# Altium PCB 0020-03_FFT2G.PcbDoc (part 4 of 16)
Units mm, origin at the board's own origin, x right, y up, seen from the top; angles counter-clockwise.
Board outline 195 x 104.5 mm, 12 copper layers (Top Layer, GND1, LVDS1, PWR1, LVDS2, PWR2, LVDS3, PWR3, SIG1, SIG2, GND2, Bottom Layer), stack 1.422 mm thick; 721 components, 650 nets, 4014 pads, 3497 vias.
Unrouted connection lines stored in the file: 78.
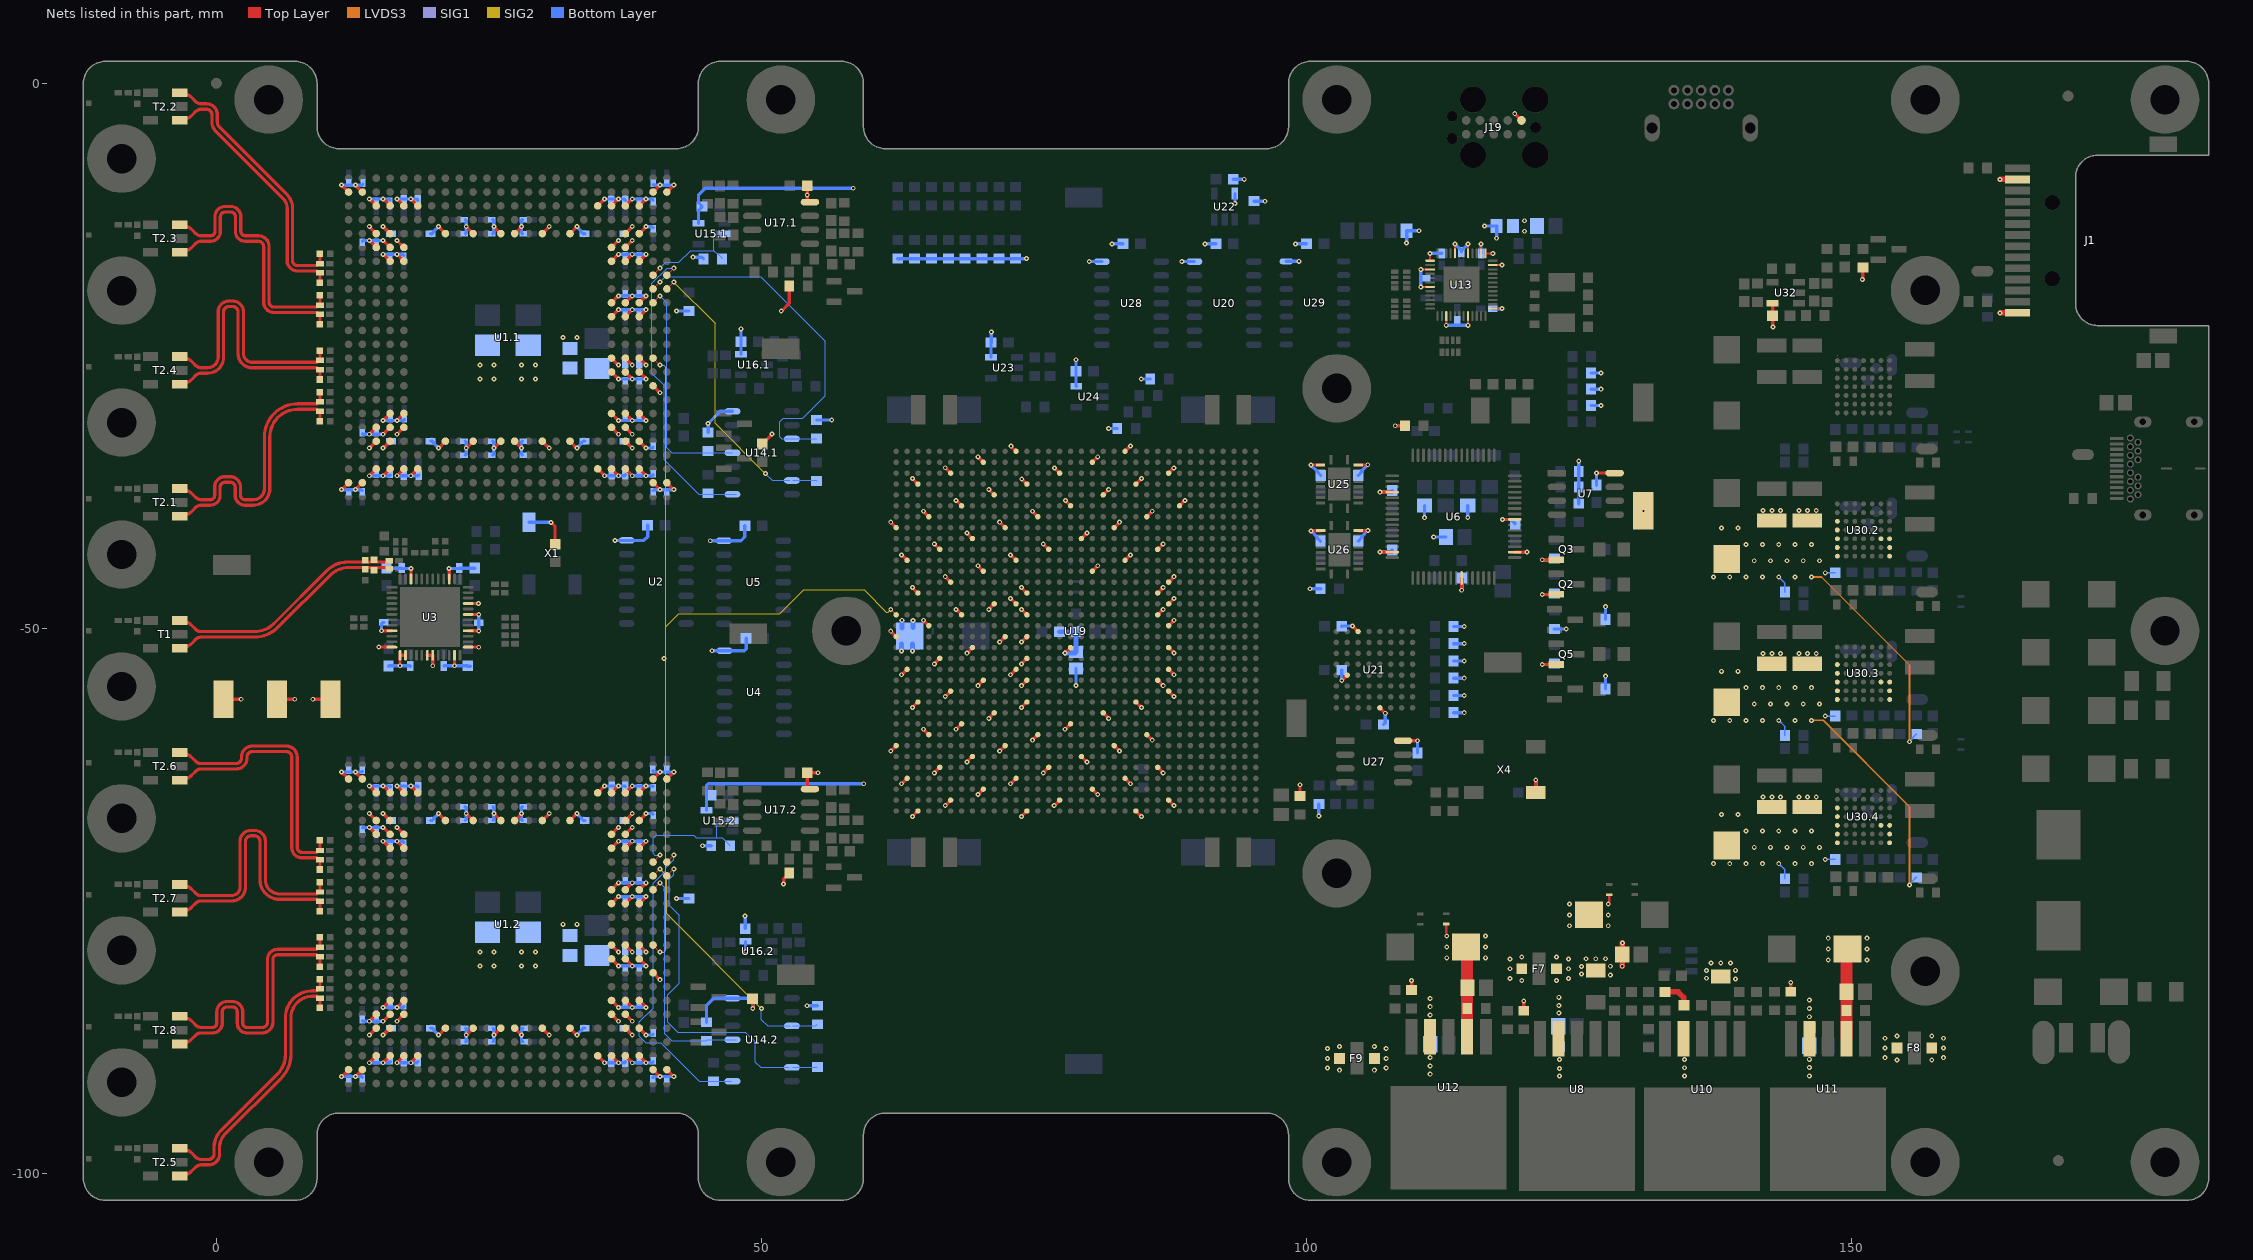
[diagram p14: the nets of this part, all layers, seen from the top]

## Via types
v1: diameter 0.45, hole 0.2, Top Layer to Bottom Layer, tented both sides, 3249 vias
v2: diameter 1, hole 0.5, Top Layer to Bottom Layer, tented both sides, 192 vias
v3: diameter 0.5, hole 0.2, Top Layer to Bottom Layer, tented both sides, 34 vias
v4: diameter 0.6, hole 0.3, Top Layer to Bottom Layer, tented both sides, 12 vias
v5: diameter 0.6, hole 0.2, Top Layer to Bottom Layer, tented both sides, 6 vias
v6: diameter 0.45/0.45/0.45/0.45/0.45/0.45/0.45 (per signal layer), hole 0.2, Top Layer to Bottom Layer, tented both sides, 4 vias

## Nets (pads, with @x,y where several pads share a name; then routed paths per layer and width w, separated by ;. In a path a pad name is that pad's centre, name@x,y a point inside that pad or via, vN(x,y) a via of type N, cw(c..) or ccw(c..) an arc to the next point about the centre after c; other vN are vias at no path point) (continued)
+1V0A: C78.1 C79.1 F12.2 U13.2 U13.13 U13.47 | length 6.6
  Top Layer w0.2: U13.13@111.371,-16.286 v1(111.371,-15.611) ; U13.2@116.046,-15.611 v1(116.046,-14.756) ; U13.47@117.121,-16.686 v1(117.976,-16.686)
  Bottom Layer w0.3: v1(109.217,-14.658) F12.2@109.217,-13.533 v1(110.341,-13.533) ; v1(111.371,-15.611) C78.1@112.446,-15.611 ; C79.1@116.046,-15.611 v1(116.046,-14.756)
+1V8: C138.1.1 C138.2.1 C139.1.2 C139.2.2 C140.1.2 C140.2.2 C141.1.2 C141.2.2 C142.1.2 C142.2.2 C143.1.2 C143.2.2 C144.1.2 C144.2.2 C145.1.2 C145.2.2 C146.1.2 C146.2.2 C147.1.2 C147.2.2 C148.1.2 C148.2.2 C149.1.2 C149.2.2 C150.1.2 C150.2.2 C151.1.2 C151.2.2 C152.1.2 C152.2.2 C153.1.2 C153.2.2 C154.1.2 C154.2.2 F9.2 R63.1.2 R63.2.2 TP13.1 U1.1.AA5 U1.1.AA20 U1.1.D5 U1.1.D20 U1.1.E3 U1.1.E6 U1.1.E19 U1.1.E22 U1.1.F3 U1.1.F22 U1.1.H5 U1.1.H20 U1.1.U5 U1.1.U20 U1.1.W3 U1.1.W22 U1.1.Y3 U1.1.Y6 U1.1.Y19 U1.1.Y22 U1.2.AA5 U1.2.AA20 U1.2.D5 U1.2.D20 U1.2.E3 U1.2.E6 U1.2.E19 U1.2.E22 U1.2.F3 U1.2.F22 U1.2.H5 U1.2.H20 U1.2.U5 U1.2.U20 U1.2.W3 U1.2.W22 U1.2.Y3 U1.2.Y6 U1.2.Y19 U1.2.Y22 | length 69.6
  Top Layer w0.3: TP13.1@0.652,-56.526 v1(2.277,-56.526) ; v1(15.303,-87.338) U1.2.D5@15.938,-86.703 ; v1(15.303,-67.018) U1.2.D20@15.938,-67.653 ; v1(15.303,-33.482) U1.1.D5@15.938,-32.847 ; v1(15.303,-13.162) U1.1.D20@15.938,-13.797 ; v1(16.573,-89.878) U1.2.E3@17.208,-89.243 ; v1(16.573,-86.068) U1.2.E6@17.208,-85.433 ; v1(16.573,-68.288) U1.2.E19@17.208,-68.923 ; v1(16.573,-64.478) U1.2.E22@17.208,-65.113 ; v1(16.573,-36.022) U1.1.E3@17.208,-35.387 ; v1(16.573,-32.212) U1.1.E6@17.208,-31.577 ; v1(16.573,-14.432) U1.1.E19@17.208,-15.067 ; v1(16.573,-10.622) U1.1.E22@17.208,-11.257 ; v1(17.843,-89.878) U1.2.F3@18.478,-89.243 ; v1(17.843,-64.478) U1.2.F22@18.478,-65.113 ; v1(17.843,-36.022) U1.1.F3@18.478,-35.387 ; v1(17.843,-10.622) U1.1.F22@18.478,-11.257 ; v1(20.383,-87.338) U1.2.H5@21.018,-86.703 ; v1(20.383,-67.018) U1.2.H20@21.018,-67.653 ; v1(20.383,-33.482) U1.1.H5@21.018,-32.847 ; v1(20.383,-13.162) U1.1.H20@21.018,-13.797 ; U1.2.U5@32.448,-86.703 v1(33.083,-87.338) ; U1.2.U20@32.448,-67.653 v1(33.083,-67.018) ; U1.1.U5@32.448,-32.847 v1(33.083,-33.482) ; U1.1.U20@32.448,-13.797 v1(33.083,-13.162) ; U1.2.W3@34.988,-89.243 v1(35.623,-89.878) ; U1.2.W22@34.988,-65.113 v1(35.623,-64.478) ; U1.1.W3@34.988,-35.387 v1(35.623,-36.022) ; U1.1.W22@34.988,-11.257 v1(35.623,-10.622) ; U1.2.Y3@36.258,-89.243 v1(36.893,-89.878) ; U1.2.Y6@36.258,-85.433 v1(36.893,-86.068) ; U1.2.Y19@36.258,-68.923 v1(36.893,-68.288) ; U1.2.Y22@36.258,-65.113 v1(36.893,-64.478) ; U1.1.Y3@36.258,-35.387 v1(36.893,-36.022) ; U1.1.Y6@36.258,-31.577 v1(36.893,-32.212) ; U1.1.Y19@36.258,-15.067 v1(36.893,-14.432) ; U1.1.Y22@36.258,-11.257 v1(36.893,-10.622) ; U1.2.AA5@37.528,-86.703 v1(38.163,-87.338) ; U1.2.AA20@37.528,-67.653 v1(38.163,-67.018) ; U1.1.AA5@37.528,-32.847 v1(38.163,-33.482) ; U1.1.AA20@37.528,-13.797 v1(38.163,-13.162)
  Bottom Layer w0.3: v1(15.303,-87.338) 15.723,-86.918 15.723,-86.851 15.873,-86.701 C154.2.2@16.023,-86.701 ; v1(15.303,-67.018) 15.723,-67.438 15.723,-67.501 15.873,-67.651 C140.2.2@16.023,-67.651 ; v1(15.303,-33.482) 15.719,-33.066 15.719,-32.99 15.869,-32.84 C154.1.2@16.019,-32.84 ; v1(15.303,-13.162) 15.719,-13.578 15.719,-13.653 15.869,-13.803 C150.1.2@16.019,-13.803 ; v1(16.573,-89.878) v1(17.843,-89.878) 18.387,-89.878 C151.2.2@18.473,-89.791 ; v1(16.573,-64.478) v1(17.843,-64.478) 18.425,-64.478 C147.2.2@18.508,-64.561 ; v1(16.573,-36.022) v1(17.843,-36.022) 18.491,-36.022 C151.1.2@18.561,-35.952 ; v1(16.573,-10.622) v1(17.843,-10.622) 18.365,-10.622 C147.1.2@18.473,-10.73 ; C143.1.2@19.651,-32.84 19.801,-32.84 19.951,-32.99 19.951,-33.05 v1(20.383,-33.482) ; C140.1.2@19.651,-13.803 19.801,-13.803 19.951,-13.653 19.951,-13.593 v1(20.383,-13.162) ; C143.2.2@19.661,-86.701 19.811,-86.701 19.961,-86.851 19.961,-86.916 v1(20.383,-87.338) ; C150.2.2@19.663,-67.651 19.813,-67.651 19.963,-67.501 19.963,-67.438 v1(20.383,-67.018) ; v1(33.083,-87.338) 33.503,-86.918 33.503,-86.851 33.653,-86.701 C145.2.2@33.803,-86.701 ; v1(33.083,-67.018) 33.503,-67.438 33.503,-67.501 33.653,-67.651 C142.2.2@33.803,-67.651 ; v1(33.083,-33.482) 33.491,-33.073 33.491,-32.99 33.641,-32.84 C145.1.2@33.791,-32.84 ; v1(33.083,-13.162) 33.491,-13.57 33.491,-13.653 33.641,-13.803 C142.1.2@33.791,-13.803 ; v1(35.623,-89.878) v1(36.893,-89.878) 37.453,-89.878 C153.2.2@37.533,-89.797 ; v1(35.623,-64.478) v1(36.893,-64.478) 37.475,-64.478 C148.2.2@37.533,-64.536 ; v1(35.623,-36.022) v1(36.893,-36.022) 37.438,-36.022 C153.1.2@37.533,-35.926 ; v1(35.623,-10.622) v1(36.893,-10.622) 37.4,-10.622 C148.1.2@37.533,-10.755 ; C149.1.2@37.431,-13.803 37.581,-13.803 37.731,-13.653 37.731,-13.593 v1(38.163,-13.162) ; C152.2.2@37.443,-86.701 37.593,-86.701 37.743,-86.851 37.743,-86.918 v1(38.163,-87.338) ; C149.2.2@37.443,-67.651 37.593,-67.651 37.743,-67.501 37.743,-67.438 v1(38.163,-67.018) ; C152.1.2@37.443,-32.84 37.593,-32.84 37.743,-32.99 37.743,-33.062 v1(38.163,-33.482)
  other v1: 103.05,-90.563 101.962,-90.366 101.962,-89.475 101.962,-88.584 103.05,-88.387 24.193,-80.988 25.463,-80.988 24.193,-79.718 25.463,-79.718 31.813,-77.178 33.083,-77.178 24.193,-27.132 25.463,-27.132 24.193,-25.862 25.463,-25.862 31.813,-23.322 33.083,-23.322
+1V8-LDO: C70.2 C71.1 F9.1 R45.1 U12.4 | length 0.8
  Top Layer w0.3: R45.1@109.675,-83.186 v1(109.675,-82.346)
  other v1: 111.375,-90.928 106.25,-90.563 107.338,-90.366 111.375,-90.166 107.338,-89.475 111.375,-89.404 107.338,-88.584 106.25,-88.387 111.375,-85.495 111.375,-84.733 111.375,-83.971
+1V8D.1: C155.1.1 C156.1.2 C157.1.2 R63.1.1 U1.1.AA11 U1.1.AB11 U1.1.Y11 | length 2.7
  Top Layer w0.3: U1.1.Y11@36.258,-25.227 v1(36.893,-25.862) ; U1.1.AA11@37.528,-25.227 v1(38.163,-25.862) ; U1.1.AB11@38.798,-25.227 v1(39.433,-25.862)
+1V8D.2: C155.2.1 C156.2.2 C157.2.2 R63.2.1 U1.2.AA11 U1.2.AB11 U1.2.Y11 | length 2.7
  Top Layer w0.3: U1.2.Y11@36.258,-79.083 v1(36.893,-79.718) ; U1.2.AA11@37.528,-79.083 v1(38.163,-79.718) ; U1.2.AB11@38.798,-79.083 v1(39.433,-79.718)
+2V3: C68.1 C69.1 C187.3.1 C188.3.1 C193.3.1 C197.3.1 P30.3.2 R44.1 R130.4.2 R144.3.2 U12.2 U30.3.A1 U30.3.A2 U30.3.A3 U30.3.A4 U30.3.A5 U30.3.F3 U30.3.G1 U30.3.G2 U30.3.G3 | length 32
  Top Layer w0.2: 112.85,-77.923 P30.3.2@112.85,-77.15
  Top Layer w0.5: U12.2@114.771,-87.453 U12.2@114.775,-87.45
  Top Layer w1.1: U12.2@114.775,-87.45 R44.1@114.775,-84.911 114.775,-83 C68.1@114.775,-79.25
  LVDS3 w0.15: v1(146.359,-58.463) 147.438,-58.463 155.358,-66.383 v1(155.358,-73.573)
  Bottom Layer w0.15: v1(143.359,-58.463) 143.925,-59.029 R144.3.2@143.925,-59.848 ; v1(147.625,-58.073) 147.626,-58.072 C197.3.1@148.556,-58.072 ; v1(155.358,-73.573) 155.425,-73.507 155.425,-73.47 155.599,-73.296 155.599,-73.246 155.974,-72.871 R130.4.2@156.024,-72.871
  other v1: 112.897,-80.25 116.452,-80.25 112.897,-79.25 116.452,-79.25 112.897,-78.25 116.452,-78.25 137.359,-58.463 138.859,-58.463 140.359,-58.463 141.859,-58.463 144.859,-58.463 141.109,-56.963 142.609,-56.963 144.109,-56.963 145.609,-56.963 147.109,-56.963 140.359,-55.463 141.859,-55.463 143.359,-55.463 144.859,-55.463 146.359,-55.463 138.109,-53.963 139.609,-53.963 141.927,-52.342 142.727,-52.342 143.527,-52.342 145.204,-52.342 146.004,-52.342 146.804,-52.342
+2V5: C2.1.1 C2.2.1 C36.2 C74.2 C75.1 C76.1 C77.1 C161.1 C165.1 C166.1 C173.1 C177.2 C179.2 C180.2 C181.1 C187.2.1 C188.2.1 C193.2.1 C197.2.1 F1.1 F13.1 J1.2 J1.14 J19.1 P30.2.2 Q5.2 R53.2 R54.2 R55.2 R84.1 R85.1 R86.1 R87.1 R88.1 R89.1 R90.1 R91.1 R103.1 R104.1 R105.1 R106.1 R107.1 R108.1 R109.2 R110.1 R111.2 R112.1 R115.1 R121.1 R123.2 R124.2 R130.3.2 R144.2.2 TP15.1 U5.14 U13.15 U13.19 U13.27 U13.32 U13.37 U15.1.5 U15.2.5 U19.A12 U19.A22 U19.A32 U19.AA10 U19.AA22 U19.AA32 U19.AB9 U19.AB29 U19.AC16 U19.AC26 U19.AD13 U19.AD23 U19.AD33 U19.AE10 U19.AE20 U19.AE30 U19.AF17 U19.AF27 U19.AG14 U19.AG24 U19.AG34 U19.AH11 U19.AH21 U19.AH31 U19.AJ8 U19.AJ18 U19.AJ28 U19.AK15 U19.AK25 U19.AL12 U19.AL22 U19.AL32 U19.AM9 U19.AM19 U19.AM29 U19.AN16 U19.AN26 U19.AP13 U19.AP23 U19.B9 U19.B19 U19.B29 U19.C16 U19.C26 U19.D13 U19.D23 U19.D33 U19.E10 U19.E20 U19.E30 U19.F17 U19.F27 U19.G14 U19.G24 U19.G34 U19.H11 U19.H21 U19.H31 U19.J18 U19.J28 U19.K15 U19.K25 U19.L12 U19.L22 U19.L32 U19.M9 U19.M29 U19.N10 U19.N22 U19.N26 U19.P9 U19.P23 U19.P33 U19.R22 U19.R30 U19.T9 U19.T27 U19.U22 U19.U24 U19.U34 U19.V9 U19.V31 U19.W10 U19.W22 U19.W28 U19.Y9 U19.Y23 U19.Y25 U20.14 U21.D8 U21.F1 U25.2 U26.2 U27.8 U28.14 U30.2.A1 U30.2.A2 U30.2.A3 U30.2.A4 U30.2.A5 U30.2.F3 U30.2.G1 U30.2.G2 U30.2.G3 | length 185.1
  Top Layer w0.2: v1(110.516,-18.686) U13.19@111.371,-18.686 ; v1(110.516,-17.086) U13.15@111.371,-17.086 ; v1(112.846,-22.216) U13.27@112.846,-21.361 ; v1(114.846,-22.216) U13.32@114.846,-21.361 ; U13.37@117.121,-20.686 v1(117.976,-20.686)
  Top Layer w0.3: v1(61.875,-61.28) U19.G34@62.375,-60.78 ; v1(61.875,-50.28) U19.U34@62.375,-50.78 ; v1(61.875,-40.28) U19.AG34@62.375,-40.78 ; v1(62.875,-64.28) U19.D33@63.375,-63.78 ; v1(62.875,-54.28) U19.P33@63.375,-53.78 ; v1(62.875,-43.28) U19.AD33@63.375,-43.78 ; v1(63.875,-67.28) U19.A32@64.375,-66.78 ; v1(63.875,-57.28) U19.L32@64.375,-56.78 ; v1(63.875,-46.28) U19.AA32@64.375,-46.78 ; v1(63.875,-36.28) U19.AL32@64.375,-36.78 ; v1(64.875,-59.28) U19.H31@65.375,-59.78 ; v1(64.875,-49.28) U19.V31@65.375,-49.78 ; v1(64.875,-39.28) U19.AH31@65.375,-39.78 ; v1(65.875,-63.28) U19.E30@66.375,-62.78 ; v1(65.875,-53.28) U19.R30@66.375,-52.78 ; v1(65.875,-42.28) U19.AE30@66.375,-42.78 ; v1(66.875,-66.28) U19.B29@67.375,-65.78 ; v1(66.875,-56.28) U19.M29@67.375,-55.78 ; v1(66.875,-45.28) U19.AB29@67.375,-45.78 ; v1(66.875,-35.28) U19.AM29@67.375,-35.78 ; v1(67.875,-59.28) U19.J28@68.375,-58.78 ; v1(67.875,-48.28) U19.W28@68.375,-48.78 ; v1(67.875,-38.28) U19.AJ28@68.375,-38.78 ; v1(68.875,-62.28) U19.F27@69.375,-61.78 ; v1(68.875,-41.28) U19.AF27@69.375,-41.78 ; v1(68.879,-52.297) 69.375,-51.803 U19.T27@69.375,-51.78 ; v1(69.875,-65.28) U19.C26@70.375,-64.78 ; v1(69.875,-55.28) U19.N26@70.375,-54.78 ; v1(69.875,-44.28) U19.AC26@70.375,-44.78 ; v1(69.875,-34.28) U19.AN26@70.375,-34.78 ; v1(70.875,-58.28) U19.K25@71.375,-57.78 ; v1(70.875,-48.28) U19.Y25@71.375,-47.78 ; v1(70.875,-37.28) U19.AK25@71.375,-37.78 ; v1(71.875,-61.28) U19.G24@72.375,-60.78 ; v1(71.875,-51.28) U19.U24@72.375,-50.78 ; v1(71.875,-40.28) U19.AG24@72.375,-40.78 ; v1(72.875,-64.28) U19.D23@73.375,-63.78 ; v1(72.875,-54.28) U19.P23@73.375,-53.78 ; v1(72.875,-47.28) U19.Y23@73.375,-47.78 ; v1(72.875,-43.28) U19.AD23@73.375,-43.78 ; v1(72.899,-33.303) U19.AP23@73.375,-33.78 ; v1(73.875,-67.28) U19.A22@74.375,-66.78 ; v1(73.875,-57.28) U19.L22@74.375,-56.78 ; v1(73.875,-55.28) U19.N22@74.375,-54.78 ; v1(73.875,-53.28) U19.R22@74.375,-52.78 ; v1(73.875,-51.28) U19.U22@74.375,-50.78 ; v1(73.875,-48.28) U19.W22@74.375,-48.78 ; v1(73.875,-46.28) U19.AA22@74.375,-46.78 ; v1(73.899,-36.303) U19.AL22@74.375,-36.78 ; v1(74.875,-60.28) U19.H21@75.375,-59.78 ; v1(74.875,-39.28) U19.AH21@75.375,-39.78 ; v1(75.875,-63.28) U19.E20@76.375,-62.78 ; v1(75.875,-42.28) U19.AE20@76.375,-42.78 ; v1(76.875,-66.28) U19.B19@77.375,-65.78 ; v1(76.899,-35.303) U19.AM19@77.375,-35.78 ; v1(77.875,-59.28) U19.J18@78.375,-58.78 ; v1(77.899,-38.303) U19.AJ18@78.375,-38.78 ; U19.F17@79.375,-61.78 v1(79.875,-62.28) ; U19.AF17@79.375,-41.78 v1(79.875,-41.28) ; U19.C16@80.375,-64.78 v1(80.875,-65.28) ; U19.AC16@80.375,-44.78 v1(80.875,-44.28) ; U19.AN16@80.375,-34.78 v1(80.875,-34.28) ; U19.K15@81.375,-57.78 v1(81.875,-58.28) ; U19.AK15@81.375,-37.78 v1(81.875,-37.28) ; U19.G14@82.375,-60.78 v1(82.875,-61.28) ; U19.AG14@82.375,-40.78 v1(82.875,-40.28) ; U19.D13@83.375,-63.78 v1(83.875,-64.28) ; U19.AD13@83.375,-43.78 v1(83.875,-43.28) ; U19.AP13@83.375,-33.78 v1(83.875,-33.28) ; U19.A12@84.375,-66.78 v1(84.875,-67.28) ; U19.L12@84.375,-56.78 v1(84.875,-57.28) ; U19.AL12@84.375,-36.78 v1(84.875,-36.28) ; U19.H11@85.375,-59.78 v1(85.875,-60.28) ; U19.AH11@85.375,-39.78 v1(85.875,-39.28) ; U19.E10@86.375,-62.78 v1(86.875,-63.28) ; U19.N10@86.375,-54.78 v1(86.875,-55.28) ; U19.W10@86.375,-48.78 v1(86.875,-48.28) ; U19.AA10@86.375,-46.78 v1(86.875,-46.28) ; U19.AE10@86.375,-42.78 v1(86.875,-42.28) ; U19.B9@87.375,-65.78 v1(87.875,-66.28) ; U19.M9@87.375,-55.78 v1(87.875,-56.28) ; U19.P9@87.375,-53.78 v1(87.875,-54.28) ; U19.T9@87.375,-51.78 v1(87.875,-52.28) ; U19.V9@87.375,-49.78 v1(87.875,-49.28) ; U19.Y9@87.375,-47.78 v1(87.875,-47.28) ; U19.AB9@87.375,-45.78 v1(87.875,-45.28) ; U19.AM9@87.375,-35.78 v1(87.852,-35.303) ; U19.AJ8@88.375,-38.78 v1(88.875,-38.28) ; R121.1@99.433,-65.396 v1(99.433,-64.374) ; v1@100.455,-35.027 U25.2@101.315,-35.027 ; v1@100.465,-41.06 U26.2@101.324,-41.06 ; v1(104.26,-49.812) U21.F1@104.76,-50.312 ; U21.D8@106.76,-57.312 v1(107.26,-57.812) ; U27.8@108.586,-60.336 v1(110.207,-60.336) ; v1(119.134,-2.796) J19.1@119.753,-3.414 ; v1(121.655,-53.335) Q5.2@122.789,-53.335
  Top Layer w0.5: v1(163.662,-21.07) J1.14@165.27,-21.07 ; v1(163.662,-8.83) J1.2@165.27,-8.83
  LVDS3 w0.15: v1(146.359,-45.314) 147.289,-45.314 155.358,-53.383 v1(155.358,-60.423)
  Bottom Layer w0.15: v1(143.359,-45.314) 143.925,-45.88 R144.2.2@143.925,-46.699 ; v1(147.625,-44.924) 147.626,-44.923 C197.2.1@148.556,-44.923 ; v1(155.358,-60.423) 155.358,-60.388 155.599,-60.147 155.599,-60.097 155.974,-59.722 R130.3.2@156.024,-59.722
  Bottom Layer w0.3: U15.1.5@44.245,-12.864 44.245,-11.64 C2.1.1@44.569,-11.317 44.245,-10.993 44.245,-10.237 44.845,-9.637 v1(58.437,-9.637) ; U15.2.5@44.965,-66.72 44.965,-64.461 45.146,-64.28 v1(59.402,-64.28) ; v1(45.312,-41.979) U5.14@46.573,-41.979 48.139,-41.979 48.489,-41.629 C36.2@48.489,-40.611 ; R91.1@62.522,-16.096 R90.1@64.068,-16.096 R89.1@65.614,-16.096 R88.1@67.16,-16.096 R87.1@68.705,-16.096 R86.1@70.251,-16.096 R85.1@71.797,-16.096 R84.1@73.343,-16.096 v1(74.333,-16.096) ; v1(78.88,-55.275) F1.1@78.88,-53.682 ; v1(80.089,-16.368) U28.14@81.247,-16.368 ; v1(81.875,-31.684) R111.2@82.666,-31.684 ; v1(82.194,-14.74) C181.1@83.198,-14.74 ; v1(84.863,-27.138) R115.1@85.689,-27.138 ; v1(88.586,-16.369) U20.14@89.744,-16.369 ; v1(90.704,-14.74) C161.1@91.707,-14.74 ; v1(100.355,-46.385) R123.2@101.322,-46.385 ; v1(100.436,-35.046) 101,-35.609 101,-35.669 C179.2@101.325,-35.994 ; v1(100.446,-41.078) 100.987,-41.619 100.987,-41.694 C177.2@101.312,-42.019 ; v1(101.156,-67.245) R124.2@101.156,-66.151 ; C166.1@103.264,-49.822 103.275,-49.812 v1(104.26,-49.812) ; C165.1@107.099,-58.839 107.26,-58.679 v1(107.26,-57.812) ; C180.2@110.207,-61.466 v1(110.207,-60.336) ; v1(110.516,-18.686) v1(110.516,-17.086) ; v1(112.846,-22.216) v1(114.846,-22.216) ; R107.1@113.524,-57.759 v1(114.498,-57.759) ; R103.1@113.524,-56.175 v1(114.498,-56.175) ; R106.1@113.524,-54.592 v1(114.498,-54.591) ; R108.1@113.524,-53.008 v1(114.498,-53.008) ; R105.1@113.524,-51.424 v1(114.498,-51.424) ; R104.1@113.524,-49.841 v1(114.498,-49.841) ; C77.1@117.121,-20.686 v1(117.976,-20.686) ; v1(121.655,-53.335) 122.683,-53.335 R112.1@122.771,-53.247 ; R110.1@122.771,-50.072 v1(123.861,-50.072) ; R54.2@126.125,-29.57 v1(127.041,-29.57) ; R55.2@126.125,-28.075 v1(127.041,-28.075) ; R53.2@126.125,-26.58 v1(127.041,-26.58) ; R109.2@127.456,-49.21 v1(127.456,-48.033)
  Bottom Layer w0.45: v1(62.875,-52.1) C173.1@62.875,-51.45 ; C173.1@62.9,-49.975 v1@62.9,-49.325 ; v1(63.875,-52.1) C173.1@63.875,-51.45 ; C173.1@63.925,-49.95 v1(63.925,-49.3)
  other v1: 62.9,-49.275 137.359,-45.314 138.859,-45.314 140.359,-45.314 141.859,-45.314 144.859,-45.314 141.109,-43.814 142.609,-43.814 144.109,-43.814 145.609,-43.814 147.109,-43.814 140.359,-42.314 141.859,-42.314 143.359,-42.314 144.859,-42.314 146.359,-42.314 138.109,-40.814 139.609,-40.814 130.946,-39.264 141.927,-39.193 142.727,-39.193 143.527,-39.193 145.204,-39.193 146.004,-39.193 146.804,-39.193 120.023,-13.583 120.023,-12.617
+2V5A: C80.1 F13.2 U13.1 U13.5 U13.8 | length 6.5
  Top Layer w0.2: U13.8@113.646,-15.611 v1(113.646,-14.756) ; U13.5@114.846,-15.611 v1(114.846,-14.756) ; U13.1@116.446,-15.611 v1(117.121,-15.611)
  Bottom Layer w0.3: v1(113.646,-14.756) 114.075,-15.185 114.096,-15.185 114.246,-15.335 C80.1@114.246,-15.356 ; C80.1@114.246,-15.485 C80.1@114.246,-15.356 ; v1(114.846,-14.756) C80.1@114.246,-15.356 ; v1(116.347,-13.1) F13.2@117.472,-13.1 v1(117.472,-14.224)
+3.8V: C54.1 C55.1 C63.1 C64.1 C187.4.1 C188.4.1 C193.4.1 C197.4.1 P30.4.2 R30.1 R37.1 R41.1 R144.4.2 U11.2 U30.4.A1 U30.4.A2 U30.4.A3 U30.4.A4 U30.4.A5 U30.4.F3 U30.4.G1 U30.4.G2 U30.4.G3 | length 13.7
  Top Layer w0.2: v1@127.8,-75.248 P30.4.2@127.8,-74.475
  Top Layer w0.5: v1(128.998,-81.021) 128.998,-79.957 C55.1@129.003,-79.951 129.008,-79.946 v1(129.008,-78.882) ; U11.2@149.564,-87.61 U11.2@149.565,-87.611
  Top Layer w1.1: U11.2@149.564,-87.61 R41.1@149.564,-85.093 C64.1@149.564,-83.375 149.564,-79.564 C63.1@149.678,-79.45
  Bottom Layer w0.15: v1(143.359,-71.613) 143.925,-72.178 R144.4.2@143.925,-72.997 ; v1(147.625,-71.222) v1(147.625,-71.222) C197.4.1@148.556,-71.221
  other v1: 139.378,-82.201 136.731,-82.127 127.906,-81.823 125.259,-81.749 136.719,-81.425 139.378,-81.4 125.247,-81.047 127.906,-81.022 137.145,-80.712 138.036,-80.712 138.927,-80.712 147.9,-80.45 151.456,-80.45 125.673,-80.334 126.564,-80.334 127.455,-80.334 147.9,-79.45 151.456,-79.45 147.9,-78.45 151.456,-78.45 124.161,-77.309 127.717,-77.309 124.161,-76.309 127.717,-76.309 124.161,-75.309 127.717,-75.309 137.359,-71.613 138.859,-71.613 140.359,-71.613 141.859,-71.613 144.859,-71.613 146.359,-71.613 141.109,-70.113 142.609,-70.113 144.109,-70.113 145.609,-70.113 147.109,-70.113 140.359,-68.613 141.859,-68.613 143.359,-68.613 144.859,-68.613 146.359,-68.613 138.109,-67.113 139.609,-67.113 141.927,-65.491 142.727,-65.491 143.527,-65.491 145.204,-65.491 146.004,-65.491 146.804,-65.491
+3V3: C8.2 C9.2 C10.2 C11.2 C13.2 C14.2 C15.2 C16.2 C17.2 C18.2 C21.2 C23.2 C28.2 C37.1 C38.1 C39.1 C40.1 C41.2 C50.2 C162.1 C163.1 C164.1 C167.2 C168.1 C176.1 C178.1 C182.1 C203.2 F5.1 F6.1 F8.2 Q2.2 Q3.2 R15.2 R20.2 R21.2 R22.2 R24.1 R26.2 R27.2 R100.2 R136.2 TP12.1 U2.14 U3.3 U3.10 U3.21 U3.24 U3.25 U3.26 U3.30 U3.31 U3.35 U3.37 U3.40 U3.43 U3.45 U4.14 U6.20 U6.31 U6.42 U6.50 U6.56 U7.8 U21.G5 U22.5 U23.5 U24.5 U25.19 U26.19 U29.14 U32.5 X1.4 X4.4 | length 86
  Top Layer w0.3: v1(8.847,-56.526) TP12.1@10.472,-56.526 ; v1(14.902,-51.741) U3.24@16.106,-51.741 ; v1(15.148,-50.241) U3.21@16.106,-50.241 ; v1(16.856,-53.449) U3.25@16.856,-52.491 U3.26@17.356,-52.491 ; U3.10@17.856,-45.491 v1(17.856,-44.533) ; U3.30@19.356,-52.491 U3.31@19.856,-52.491 v1(19.856,-53.449) ; U3.3@21.356,-45.491 v1(21.356,-44.533) ; v1(21.856,-53.449) U3.35@21.856,-52.491 ; U3.37@23.106,-51.741 v1@24.064,-51.741 ; U3.40@23.106,-50.241 24.064,-50.241 v1(24.076,-50.253) ; U3.43@23.106,-48.741 v1@24.064,-48.741 ; U3.45@23.106,-47.741 v1(24.064,-47.741) ; v1(30.7,-40.294) 31.081,-40.675 C23.2@31.081,-42.302 ; v1(103.26,-54.812) U21.G5@103.76,-54.312 ; U25.19@104.765,-35.027 v1@105.624,-35.027 ; U26.19@104.774,-41.06 v1@105.634,-41.06 ; v1(106.769,-43.025) U6.31@107.891,-43.025 ; v1(106.769,-37.525) U6.20@107.891,-37.525 ; v1(108.166,-31.43) R24.1@109.066,-31.43 ; v1(114.266,-46.523) U6.42@114.266,-45.4 ; v1(118.019,-40.025) U6.56@119.141,-40.025 ; U6.50@119.141,-43.025 v1(120.263,-43.025) ; X4.4@121.059,-65.087 v1(121.059,-63.943) ; v1(121.655,-46.909) Q2.2@122.789,-46.909 ; v1(121.655,-43.725) Q3.2@122.789,-43.725 ; v1(126.632,-35.774) U7.8@128.003,-35.774 ; U32.5@142.8,-20.175 C203.2@142.8,-21.325 142.8,-22.352 v1(142.819,-22.371) ; v1(151.025,-18.005) 151.025,-17.965 151.076,-17.914 R136.2@151.076,-16.899
  Bottom Layer w0.3: v1(15.148,-50.241) 15.148,-49.623 15.298,-49.473 C17.2@15.356,-49.473 ; C9.2@15.613,-44.499 15.617,-44.495 C13.2@16.99,-44.495 17.027,-44.533 v1(17.856,-44.533) ; C11.2@15.796,-53.487 15.834,-53.449 v1(16.856,-53.449) 17.74,-53.449 C16.2@17.777,-53.487 ; C15.2@20.876,-53.487 20.914,-53.449 v1(21.856,-53.449) 23.013,-53.449 23.055,-53.491 C10.2@23.314,-53.491 ; v1(21.356,-44.533) 22.236,-44.533 C18.2@22.273,-44.495 C8.2@23.72,-44.495 ; v1(24.076,-50.253) C14.2@24.076,-49.505 v1(24.076,-48.753) ; X1.4@28.7,-40.294 v1(30.7,-40.294) ; v1(36.568,-41.954) U2.14@37.648,-41.954 39.225,-41.954 39.573,-41.605 C21.2@39.573,-40.564 ; v1(45.472,-52.079) U4.14@46.623,-52.079 48.434,-52.079 48.61,-51.903 C28.2@48.61,-50.912 ; U23.5@71.067,-25.164 71.067,-23.805 C167.2@71.087,-23.785 ; C167.2@71.107,-23.805 v1(71.107,-22.839) ; v1(78.875,-25.375) C168.1@78.875,-26.427 78.875,-27.79 U24.5@78.899,-27.813 ; C163.1@93.308,-8.818 v1(94.311,-8.818) ; v1(93.458,-11.047) U22.5@93.458,-10.118 ; R100.2@95.212,-10.832 v1(96.215,-10.832) ; U29.14@98.18,-16.344 v1(99.338,-16.344) ; v1(99.027,-14.74) C182.1@100.03,-14.74 ; v1(103.26,-54.812) C164.1@103.26,-53.837 ; C178.1@104.764,-42.01 105.089,-41.685 105.089,-41.605 v1(105.653,-41.041) ; C176.1@104.764,-35.994 105.089,-35.669 105.089,-35.562 v1(105.643,-35.009) ; v1(106.769,-43.025) 107.691,-43.025 C38.1@107.891,-42.825 ; v1(106.769,-37.525) 107.744,-37.525 C37.1@107.89,-37.379 ; v1(110.858,-39.865) F6.1@110.858,-38.746 ; v1(111.695,-41.635) C41.2@112.814,-41.635 ; v1(114.266,-46.523) C39.1@114.266,-45.4 ; v1(114.821,-39.863) F5.1@114.821,-38.744 ; v1(118.019,-40.025) 118.746,-40.025 118.817,-40.096 118.842,-40.096 119.167,-40.421 C40.1@119.167,-40.446 ; C162.1@121.059,-65.087 v1(121.059,-63.943) ; v1(121.655,-46.909) 122.671,-46.909 R26.2@122.771,-46.809 ; v1(121.655,-43.725) 122.666,-43.725 R27.2@122.771,-43.621 ; R20.2@125.003,-38.575 R22.2@125.003,-37.044 R21.2@125.003,-35.621 v1(125.003,-34.656) ; C50.2@126.632,-36.879 v1(126.632,-35.774) ; R15.2@127.456,-55.586 v1(127.456,-54.408)